# Altium PCB IS12.01.01.PcbDoc (continued)
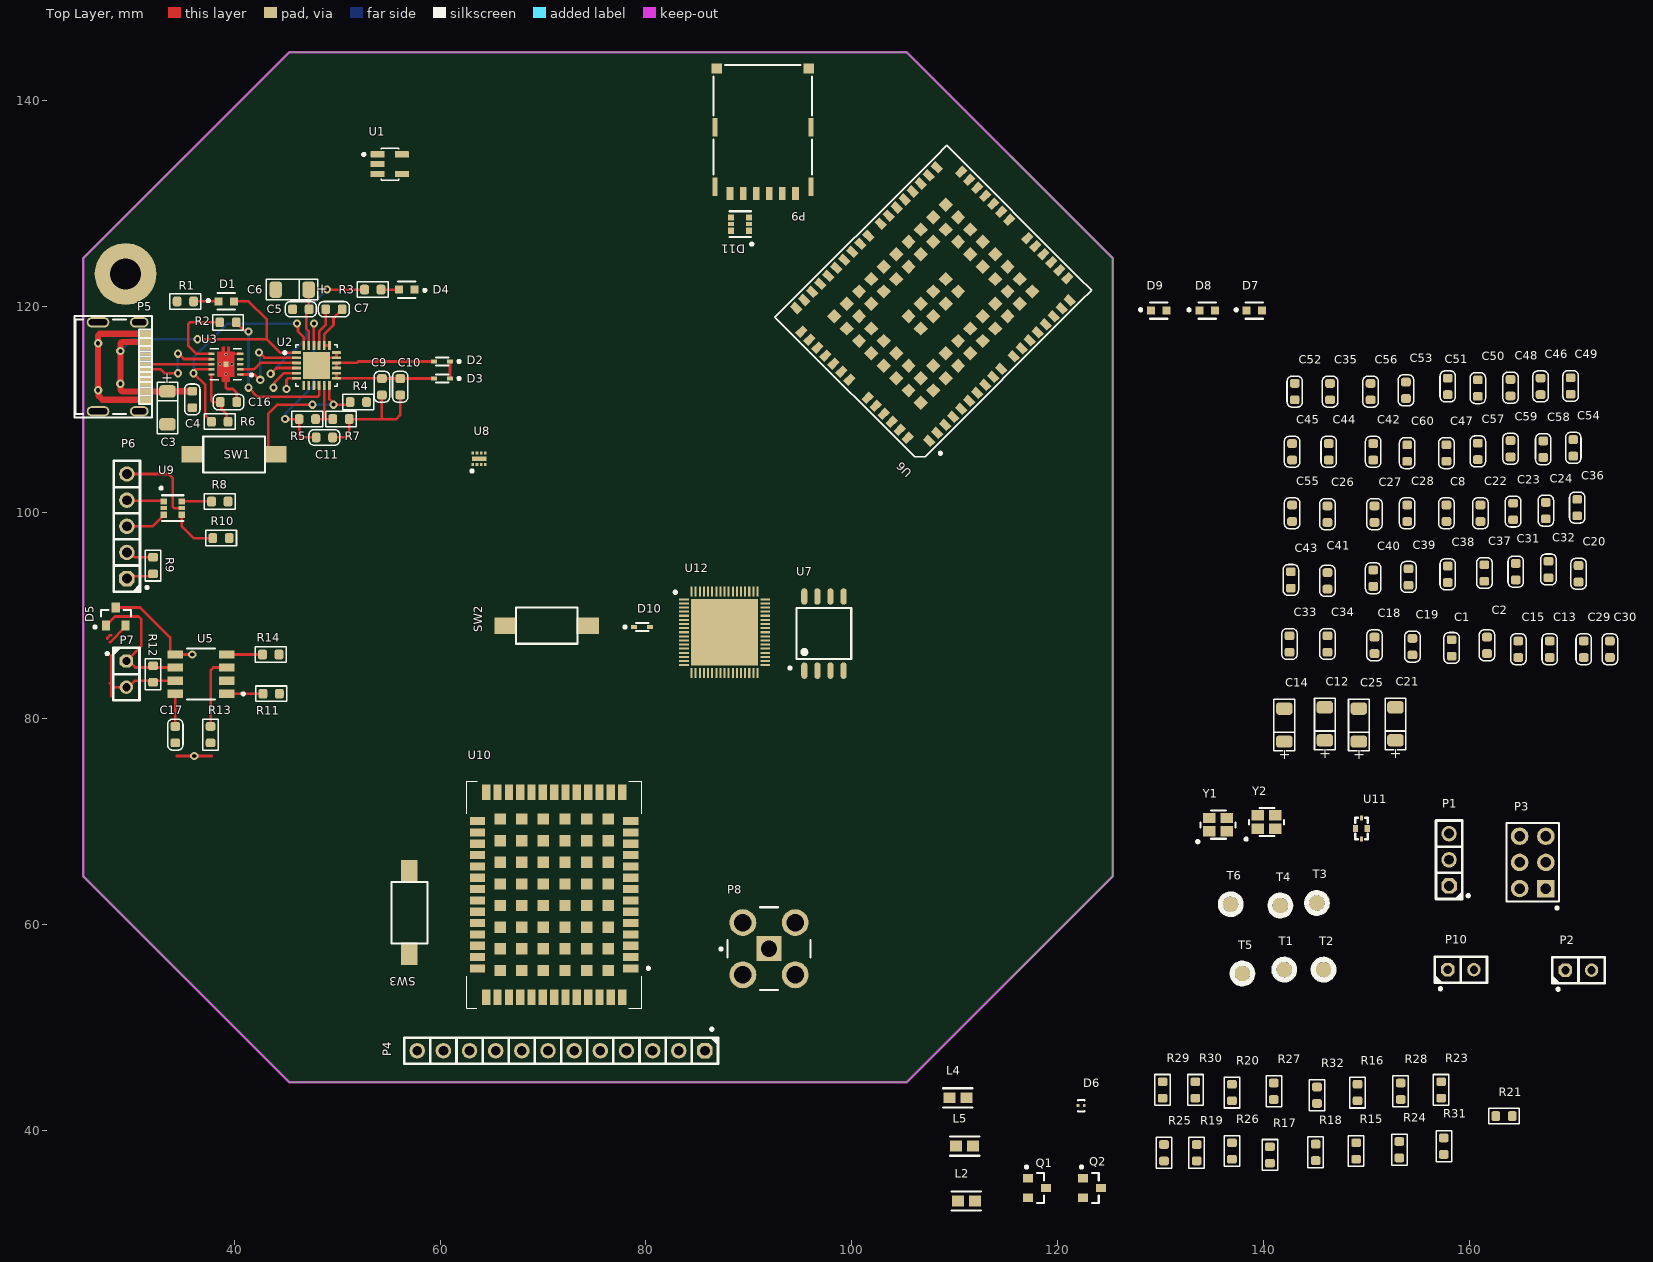
[diagram p0: Top Layer view]
## Footprints (in the part's own frame and the unit in brackets; to place one, negate y for a bottom-side part, rotate by r counter-clockwise, add the part's x,y. Pads: shape width x height; smd on the part's side, far side on the other; paste and mask are expansions set on the pad) (continued)
  silkscreen extent -11,-9.27 11,8.5, body extent -11,-8.5 11,8.5, height 2.2

## Part data
C1 C4 C5 C8 C13 C15 C16 C17 C18 C19 C20 C22 C23 C24 C30 C36 C37 C40 C41 C42 C44 C45 C47 C48 C49 C50 C52 C56 C58 C59 C60: library part C0603, "CAP CER DNP 16V X8R 0603", Supplier Part Number 1=1276-2368-1-ND, Supplier 1=Digi-Key
C2 C7 C9 C10 C11 C35 C43 C46: library part CL10A475KO8NNNC, "CAP CER 4.7UF 16V X5R 0603", Supplier Part Number 1=1276-2368-1-ND, Supplier 1=Digi-Key
C3 C6 C12 C14 C21 C25: library part TAJD107M010RNJ, "CAP TANT 100UF 20% 10V 2917", Supplier Part Number 1=399-18160-1-ND, Supplier 1=Digi-Key
C26 C27 C28 C29: library part CL10B103KB8NNNC_1, "CAP CER 10000PF 50V X7R 0603", Supplier Part Number 1=1276-2368-1-ND, Supplier 1=Digi-Key
C31 C32 C33 C34 C38 C39 C51 C53 C54 C55 C57: library part C0603C220J5GAC7867, "CAP CER 22PF 50V C0G/NP0 0603", Supplier Part Number 1=1276-2368-1-ND, Supplier 1=Digi-Key
D1 D4 D7 D8 D9: library part LTST-C190GKT, "LED GREEN CLEAR CHIP SMD", Case Code (Imperial)=0603, Case Code (Metric)=1608, Color=Blue, Forward Current=20mA, Forward Voltage=3.8V, Lens Color=Colorless, Manufacturer="Vishay Lite-On", Manufacturer Part Number=LTST-C191TBKT, Max Operating Temperature=80°C, Max Power Dissipation=75mW, Min Operating Temperature=-20°C, Package Quantity=1, Power Dissipation=76mW, Reverse Voltage=5V, Case/Package=0603, Depth=1.6mm, Dominant Wavelength=475nm, Height=0.55mm, Illumination Color=Blue, Lead Free="Lead Free", Length=0.8mm, Lens Style=Diffused, Lens Transparency=Clear, Luminous Intensity=180mcd, Mount="Surface Mount", Number of Elements=1, Number of LEDs=1, Number of Pins=2, Packaging="Tape and Reel", Radiation Hardening=No, Test Current=20mA, Viewing Angle=130°, Wavelength=468nm, Width=0.8mm
D2 D3 D10: "DIODE SCHOTTKY 40V 300MA SOD523", Capacitance=7pF, Forward Current=300mA, Manufacturer=STMicroelectronics, Max Junction Temp=+150°C, Max Repetitive Reverse Voltage=40V, Max Surge Forward Current=1.25A, Package=SOD-523, Peak Reverse Current=1uA, Temperature="-40°C to +150°C", Temperature Range Low=-40°C, Automotive=No, Category=Diode, ComponentLink2Description=Datasheet, ComponentLink2URL=https://www.st.com/content/ccc/resource/technical/document/datasheet/07/50/54/f2/0d/ba/4a/79/CD00001322.pdf/files/CD00001322.pdf/jcr:content/translations/en.CD00001322.pdf, Device Class L1="Discrete Semiconductors", Device Class L2=Diodes, Device Class L3="Schottky Diodes", Digikey Description="DIODE SCHOTTKY 40V 300MA SOD523", Height=0.7mm, Lead Free=Yes, Manufacturer Part Number=BAT54KFILM, Mouser Description="Schottky Diodes & Rectifiers schottky diode", Octopart=https://octopart.com/bat54kfilm-stmicroelectronics-39618022, RoHS=TRUE, Temperature Range High=+150°C
D5: "TVS DIODE 24VWM 44VC SOT23-3", Breakdown Voltage=26.2V, Capacitance=30pF, Clamping Voltage=44V, Manufacturer="ON Semiconductor", Max Junction Temp=+150°C, Package=318-08, Peak Pulse Current=8A, Peak Pulse Power=350W, Reverse Standoff Voltage=24V, Temperature="-55°C to +150°C", Temperature Range Low=-55°C, Automotive=Yes, Automotive Grade="Grade 0", Category=Diode, ComponentLink2Description=Datasheet, ComponentLink2URL=https://www.onsemi.com/pub/Collateral/NUP2105L-D.PDF, Device Class L1="Circuit Protection", Device Class L2="TVS Diodes", Device Class L3=unset, Digikey Description="TVS DIODE 24V 44V SOT23-3", Direction=Bidirectional, Footprint Url=https://www.onsemi.com/pub/Collateral/318-08.PDF, Height=1.11mm, Lead Free=Yes, Manufacturer Part Number=SZNUP2105LT1G, Number Of Channels=2, Octopart=https://octopart.com/sznup2105lt1g-on+semiconductor-22134626, RoHS=TRUE, Standoff Height=0.01mm, Temperature Range High=+150°C
D6: "ESD SUPPRESSOR 0201", Case Code (Imperial)=0201, Case Code (Metric)=0603, Manufacturer=Panasonic, Varistor Voltage=30V, Case/Package=0201, Manufacturer Part Number=EZA-EG1N50AC, Mount="Surface Mount", Number of Circuits=1, Packaging="Cut Tape", Series=-
D11: "TVS DIODE 3.3VWM 12VC 6TSSOP", Package="SOT-23-6 STMicroelectronics", Availability="In Stock", Check_prices=https://www.snapeda.com/parts/ESDA6V1BC6/STMicroelectronics/view-part/?ref=eda, MF=STMicroelectronics, MP=ESDA6V1BC6, Price=None, Purchase-URL=https://pricing.snapeda.com/search/part/ESDA6V1BC6/?ref=eda, SnapEDA_Link=https://www.snapeda.com/parts/ESDA6V1BC6/STMicroelectronics/view-part/?ref=snap
L2 L4 L5: library part MLZ1608M100WT000, "FIXED IND 10UH 250MA 1.05OHM SMD", Case Code (Imperial)=0603, Case Code (Metric)=1608, Current Rating=80mA, DC Resistance (DCR)=360mR, Inductance=10uH, Manufacturer="Taiyo Yuden", Manufacturer Part Number=LBMF1608T100M, Max Operating Temperature=105°C, Min Operating Temperature=-40°C, Resistor Type=Wirewound, Self Resonant Frequency=32MHz, Test Frequency=2.52MHz, Tolerance=20%, Case/Package=0603, Core Material=Ferrite, DC Current=80mA, Depth=0.9mm, Halogen Free="Halogen Free", Height=0.35mm, Height - Seated (Max)=0.039inch, Lead Free="Lead Free", Lead Pitch=0.7mm, Length=0.063inch, Max DC Current=80mA, Military Standard=Not, Mount="Surface Mount", Packaging="Tape and Reel", Radiation Hardening=No, RoHS Compliant=Yes, Series=LB, Shielding=Unshielded, Termination=SMD/SMT, Weight=7.1E-05oz, Width=0.031inch
P1: library part PLS-3, "PLS-3, вилка штыревая 2.54мм"
P2 P7: library part PLS-2, "PLS-2, вилка штыревая 2.54мм"
P3: library part TSW-103-08-L-D, "CONN HEADER VERT 6POS 2.54MM", Manufacturer=Samtec, Max Operating Temperature="125 degC", Min Operating Temperature="-55 degC", ComponentLink1Description="Manufacturer URL", ComponentLink1URL=http://www.samtec.com/, ComponentLink2Description=Datasheet, ComponentLink2URL=https://datasheet.ciiva.com/25618/0900766b81154476-25618436.pdf, ComponentLink3Description="Package Specification", ComponentLink3URL=http://suddendocs.samtec.com/prints/tsw-xxx-xx-x-x-xx-xxx-footprint.pdf, DatasheetVersion=04/2012, Lead Pitch="2.54 mm", Manufacturer Part Number=TSW-103-08-L-D, Mount="Through Hole", Mounting Technology="Through Hole", PackageDescription="Male Header, Pitch 2.54 mm, 2 x 3 Position, Height 8.38 mm, Tail Length 5.08 mm", PackageReference=TSW-103-08-L-D, RoHSCompliant=true
P4: library part PLS-12, "PLS-12, вилка штыревая 2.54мм"
P5: library part USB4105-GF-A, "CONN RCP USB2.0 TYP C 24P SMD RA", Manufacturer=Molex, Manufacturer Part Number=217179-0001
P6: library part PLS-5, "PLS-5, вилка штыревая 2.54мм"
P8: library part 142-0701-201, "CONN SMA JACK STR 50 OHM PCB", Frequency Max=3GHz, Manufacturer="TE Connectivity", Manufacturer Part Number=5-1814832-1, Package Description="SMA Connector, Pitch 5.08 mm, 1 Position, Height 9.5 mm, Tail Length 4 mm", Coaxial Cable Types=-, Coaxial Termination=Solder, Connector Body Style=StraightJack, Connector Mounting=PCBMount, Connector Type=SMACoaxial, Contact Material=BerylliumCopper, Contact Plating=GoldPlatedContacts, Datasheet URL=http://www.onlinecomponents.com/productFiles/mf-AMP/eng_cd_1814832_a.pdf, Datasheet Version="Rev. B1, 03/2011", Impedance=50ohm, Manufacturer URL=http://www.te.com/, Package Reference=5-1814832-1, Product Range=ZDCSeries, SVHC=NoSVHC(15-Jun-2015)
P9: library part 693043020611, "CONN SMART CARD PUSH-PULL", Manufacturer="Wurth Electronics", Operating Temperature=-25to85degC, Rated Current=1A, Withstanding Voltage=500VAC, Working Voltage=15VAC, Datasheet URL=https://katalog.we-online.de/em/datasheet/693043020611.pdf, Manufacturer Part Number=693043020611, Manufacturer URL=http://www.we-online.de, Mounting Technology=SMT, Package Reference=693043020611, Packaging=TapeandReel, Part Number=693043020611, Publisher=WurthElektronik
P10: library part PLS-2_1, "PLS-2, вилка штыревая 2.54мм"
Q1 Q2: "MOSFET SOT23 N 60V 5OHM 150C", Case/Package=SOT-23, Continuous Drain Current (ID)=1.2A, Drain to Source Breakdown Voltage=20V, Drain to Source Resistance=350mR, Gate to Source Voltage (Vgs)=12V, Input Capacitance=110pF, Manufacturer=Infineon, Manufacturer Part Number=IRLML2402TRPBF, Max Operating Temperature=150°C, Max Power Dissipation=540mW, Min Operating Temperature=-55°C, Power Dissipation=540W, Threshold Voltage=700mV, Contact Plating=Tin, Drain to Source Voltage (Vdss)=20V, Element Configuration=Single, Halogen Free="Halogen Free", Height=0.04inch, Lead Free="Lead Free", Length=0.119inch, Max Dual Supply Voltage=20V, Mount="Surface Mount", Number of Pins=3, Packaging="Tape and Reel", Rds On Max=250mR, REACH SVHC="No SVHC", Rise Time=9.5ns, Turn-Off Delay Time=9.7ns, Turn-On Delay Time=2.5ns, Width=0.055inch
R1 R13 R15 R16: library part RMCF0603FT1K00, "RES 1K OHM 1% 1/10W 0603", Supplier Part Number 1=541-4.7KSACT-ND, Supplier 1=Digi-Key
R2: library part RMCF0603FT261R, "RES 261 OHM 1% 1/10W 0603", Supplier Part Number 1=541-4.7KSACT-ND, Supplier 1=Digi-Key
R3 R6 R19 R21 R28 R29 R30 R32: library part RMCF0603FT10K0, "RES 10K OHM 1% 1/10W 0603", Supplier Part Number 1=541-4.7KSACT-ND, Supplier 1=Digi-Key
R4 R8 R10 R11 R12 R14 R31: library part RMCF0603FT100R, "RES 100 OHM 1% 1/10W 0603", Supplier Part Number 1=541-4.7KSACT-ND, Supplier 1=Digi-Key
R5: library part RMCF0603FT5K23, "RES 5.23K OHM 1% 1/10W 0603", Supplier Part Number 1=541-4.7KSACT-ND, Supplier 1=Digi-Key
R7: library part RMCF0603FG30K1, "RES 30.1K OHM 1% 1/10W 0603", Supplier Part Number 1=541-4.7KSACT-ND, Supplier 1=Digi-Key
R9 R23 R26: library part RMCF0603FT100K, "RES 100K OHM 1% 1/10W 0603", Supplier Part Number 1=541-4.7KSACT-ND, Supplier 1=Digi-Key
R17 R18: library part RMCF0603FT47K0, "RES 47K OHM 1% 1/10W 0603", Supplier Part Number 1=541-4.7KSACT-ND, Supplier 1=Digi-Key
R20 R25 R27: library part RMCF0603FT300R, "RES 300 OHM 1% 1/10W 0603", Supplier Part Number 1=541-4.7KSACT-ND, Supplier 1=Digi-Key
R24: library part RMCF0603FT4K70, "RES 4.7K OHM 1% 1/10W 0603", Supplier Part Number 1=541-4.7KSACT-ND, Supplier 1=Digi-Key
SW1 SW2 SW3: library part FSMSM, "SWITCH TACTILE SPST-NO 0.05A 24V", Case\/Package=SMD/SMT, Contact Current Rating=50mA, Contact Resistance=100mOhm, Manufacturer="TE Connectivity", Manufacturer Part Number=FSMSMTR, Max Operating Temperature=85degC, Max Voltage Rating (DC)=12V, Min Operating Temperature=-35degC, Operating Force=180gf, Package Description="2-Pin Surface Mount Device, Body 6 x 3.5 mm, Pitch 9.19 mm", Package Quantity=1800, Voltage Rating (DC)=24V, Actuator Length=1.07mm, Actuator Material=Polyamide, Contact Material=Brass, Contact Plating=Silver, Current Rating=50mA, Datasheet URL=http://www.te.com/commerce/DocumentDelivery/DDEController?Action=showdoc&DocId=Customer+Drawing%7F1437566-3%7FC2%7Fpdf%7FEnglish%7FENG_CD_1437566-3_C2_1437566_3_1_c.dwg.pdf%7F1437566-4, Datasheet Version="Rev. C2, 08/2014", Electrical Life=20000Cycles, ELV=Compliant, Illumination Type=Illuminated, Lead Free=LeadFree, Manufacturer URL=http://www.te.com/, Mechanical Life=20000Cycles, Mount=SurfaceMount, Mounting Technology=SurfaceMount, Orientation=Straight, Package Reference=FSMSMTR, Packaging=TapeandReel, REACH SVHC=Unknown, RoHSCompliant=true, Switch Travel=0.25mm, Termination=GullWing, Throw Configuration=SPST
T1 T2 T3 T4 T5 T6: "Test point (DNP)"
U1: "IC REG LINEAR 3.3V 600MA SOT25", Case/Package=SOT-23-5, Dropout Voltage=250mV, Manufacturer=Diodes, Max Input Voltage=6V, Max Operating Temperature=85°C, Max Output Current=600mA, Min Input Voltage=2.5V, Min Operating Temperature=-40°C, Output Voltage=3.3V, Package Quantity=1, Quiescent Current=55uA, Accuracy=1.5%, Height=1.3mm, Lead Free="Lead Free", Length=3.1mm, Manufacturer Part Number=AP2112K-3.3TRG1, Mount="Surface Mount", Number of Outputs=1, Number of Pins=5, Number of Regulators=1, Output Current=600mA, Output Type=Fixed, Packaging="Tape and Reel", Polarity=Positive, Width=1.7mm
U2: "IC BATT CHG LI-ION 1CELL 24WQFN", Manufacturer="Texas Instruments", Max Charge Current=5A, Max Operating Temperature=85°C, Max Supply Voltage=14V, Min Operating Temperature=-40°C, Output Voltage=5.5V, Contact Plating=Gold, Fault Protection="Over Temperature", Interface=I2C, Lead Free="Lead Free", Manufacturer Part Number=BQ25895MRTWR, Mount="Surface Mount", Number of Cells=1, Number of Pins=24, Output Current=5A, Packaging="Cut Tape", RoHS Compliant=Yes
U3: "IC USB SWITCH DUAL 1X2 10SON", Manufacturer="Texas Instruments", Architecture="\"1\",\"2 mux/demux\"", Bandwidth(MHz)=1200, Charge Injection(Max)(pC)=N/A, ComponentLink1Description=Datasheet, ComponentLink1URL=http://www.ti.com/general/docs/lit/getliterature.tsp?genericPartNumber=TS3USB221&fileType=pdf, ComponentLink2Description="Package Specification", ComponentLink2URL=http://www.ti.com/litv/pdf/mpds117k, DatasheetVersion=SCDS220G, Eco-Plan="Green (RoHS & no Sb/Br)", ESD HBM(kV)=+/-2, ICC(uA)=30, IL OFF(Max)(nA)=2, Manufacturer Part Number=TS3USB221DRCR, Mounting Technology="Surface Mount", Number Of Channels=2, OFF Time(Max)(ns)=12, ON Time(Max)(ns)=30, PackageDescription="10-Pin Plastic Small Outline No-Lead, 3 x 3 x 1 mm Body, 0.5 mm Pitch, Exposed Pad", PackageReference=DRC0010J, PackageVersion="revL, Sep-2011", Partnumber=TS3USB221DRCR, RON Flatness(Max)(Ohms)=1, RON Mis-match(Max)(Ohms)=0.2, ron(max)(ohms)=6, SubFamily="USB Switch", tpd max(ns)=0.25, Vcc range(V)="2.3 to 3.6"
U5: "IC TRANSCEIVER HALF 1/1 8SOIC", Ambient Temperature Range High=+105°C, Ambient Temperature Range Low=-40°C, Manufacturer="Texas Instruments", Max Junction Temp=+130°C, Max Supply Voltage=5.5V, Min Supply Voltage=4.5V, Nominal Supply Current=300-425uA, Package=D0008A, Temperature="-40°C to +85°C", Temperature Range High=+85°C, Automotive=No, Category=IC, ComponentLink2Description=Datasheet, ComponentLink2URL=http://www.ti.com/lit/ds/symlink/sn65hvd3082e.pdf, Data Rate=0.2Mbits/s, Device Class L1="Integrated Circuits (ICs)", Device Class L2="Interface ICs", Device Class L3="RS-232 / RS-422 / RS-485 Interface ICs", Digikey Description="IC TRANSCEIVER HALF 1/1 8SOIC", Height=1.75mm, Interface=RS-485,RS-422, Ipc Land Pattern Name=SOIC127P600X175-8, Lead Free=Yes, Manufacturer Part Number=SN65HVD3082EDR, Mouser Description="RS-485 Interface IC Low-Power RS-485 Transceiver", Number Of Receivers=1, Number Of Transmitters=1, Octopart=https://octopart.com/sn65hvd3082edr-texas+instruments-712058, RoHS=TRUE, Simplex Duplex="Half Duplex", Standoff Height=0.11mm, Temperature Range Low=-40°C
U6: "Linear IC", Package="NON-STANDARD-126 Quectel", Availability="In Stock", Check_prices=https://www.snapeda.com/parts/EG915NEUAC-N06-SNNSA/Quectel/view-part/?ref=eda, MF=Quectel, MP=EG915NEUAC-N06-SNNSA, Price=None, SnapEDA_Link=https://www.snapeda.com/parts/EG915NEUAC-N06-SNNSA/Quectel/view-part/?ref=snap
U7: "IC FLASH 32MBIT SPI/QUAD 8SOIC", Package="SOIC-8 Winbond", Availability=Unavailable, MF="Winbond Electronics", MP=W25Q32BVSSIG, Price=None, SnapEDA_Link=https://www.snapeda.com/parts/W25Q32BVSSIG/Winbond%20Electronics/view-part/552390/?ref=snap
U8: "IC REG LINEAR 3.3V 1A 8DFN", Manufacturer_Name=STMicroelectronics, Mouser Part Number=511-LD56100DPU33R, Datasheet Link=https://componentsearchengine.com/Datasheets/1/LD56100DPU33R.pdf, Geometry.Height=1mm, Manufacturer_Part_Number=LD56100DPU33R, Mouser Price/Stock=https://www.mouser.co.uk/ProductDetail/STMicroelectronics/LD56100DPU33R?qs=lYGu3FyN48ervycZizbDLw%3D%3D
U9: "TVS DIODE 5.25VWM 17VC SOT23-6", Package="SOT-23-6 STMicroelectronics", Availability="In Stock", Check_prices=https://www.snapeda.com/parts/USBLC6-2SC6/STMicroelectronics/view-part/?ref=eda, MF=STMicroelectronics, MP=USBLC6-2SC6, Price=None, Purchase-URL=https://pricing.snapeda.com/search/part/USBLC6-2SC6/?ref=eda, SnapEDA_Link=https://www.snapeda.com/parts/USBLC6-2SC6/STMicroelectronics/view-part/?ref=snap
U10: "MOD RF RECEIVER GNSS 54LGA", Manufacturer_Name=U-Blox, Mouser Part Number=377-ZED-F9P-02B, Datasheet Link=https://www.u-blox.com/sites/default/files/ZED-F9P_DataSheet_%28UBX-17051259%29.pdf, Geometry.Height=2.6mm, Manufacturer_Part_Number=ZED-F9P-02B, Mouser Price/Stock=https://www.mouser.co.uk/ProductDetail/u-blox/ZED-F9P-02B?qs=DPoM0jnrROVJit2O2Grdqw%3D%3D
U11: "RF FILTER BAND PASS 2.45GHZ 0603", Package=None, Availability=Unavailable, MP=DEA162450BT-1288B1, Price=None
U12: "ULTRA-LOW-POWER DUAL CORE ARM CO", Manufacturer_Name=STMicroelectronics, Mouser Part Number=511-STM32WB55RCV6, Arrow Part Number=STM32WB55RCV6, Arrow Price/Stock=https://www.arrow.com/en/products/stm32wb55rcv6/stmicroelectronics?region=nac, Datasheet Link=https://www.mouser.com/datasheet/2/389/stm32wb55rc-1588898.pdf, Geometry.Height=1mm, Manufacturer_Part_Number=STM32WB55RCV6, Mouser Price/Stock=https://www.mouser.co.uk/ProductDetail/STMicroelectronics/STM32WB55RCV6?qs=vLWxofP3U2y%2F21YKkPUpfQ%3D%3D
Y1 Y2: library part ECS-120-8-36-CKM-TR3, "CRYSTAL 12.0000MHZ 8PF SMD", Supplier Part Number 1=535-9116-1-ND, Supplier 1=Digi-Key

## Free pads (board coordinates)
  round 6 hole 3: 17(29.464,123.19)

## Via types
v1: diameter 0.8, hole 0.4, Top Layer to Bottom Layer, tented both sides, 23 vias

## Nets (pads, with @x,y where several pads share a name; then routed paths per layer and width w, separated by ;. In a path a pad name is that pad's centre, name@x,y a point inside that pad or via, vN(x,y) a via of type N, cw(c..) or ccw(c..) an arc to the next point about the centre after c; other vN are vias at no path point)
"3V3 (STM)": C12.1 C13.1 C16.2 C30.2 C43.2 C46.2 C48.2 C50.2 C60.1 L5.1 P3.2 R6.2 R28.1 R29.1 T3.1 U3.10 U7.8 U8.1 U8.2 U8.4 U12.41 U12.44 U12.45 | length 5.7
  Top Layer w0.254: U3.10 37.8,110.893 37.949,110.744 C16.2 38.783,110.62 38.783,110.061 39.303,109.541 39.303,108.944 R6.2
"3V3 (ZED)": C1.2 C2.2 C42.1 C44.1 C45.1 C47.1 R31.1 T2.1 U1.5 U10.33 U10.34 U10.36 U10.38
+5V: C5.2 C6.1 U2.23 | length 5.7
  Top Layer w0.254: C6.1 47.25,121.66 C5.2@47.25,119.761 ; U2.23 47.256,117.612 46.99,117.878 46.99,119.373 47.282,119.665 C5.2
ANT_MAIN: U6.60
BQ25895_CE: U2.9
BQ25895_INT: U2.7
BQ25895_OTG_EN: U2.8
CC1: P5.A5
CC2: P5.B5
D+: P5.A6 U3.8 | length 6.4
  Top Layer w0.254: P5.A6 U3.8
D-: P5.A7 U3.7 | length 8.7
  Top Layer w0.254: P5.A7 32.889,113.923 33.274,113.538 v1(34.544,113.538) ; v1(34.544,115.443) 34.608,115.443 35.128,114.923 U3.7
  Bottom Layer w0.254: v1(34.544,113.538) v1(34.544,115.443)
DSEL: R6.1 U2.24 U3.9 | length 22.8
  Top Layer w0.254: U3.9 36.217,113.923 36.068,113.774 v1(36.068,113.538) 37.211,112.395 37.211,109.436 37.46,109.187 37.464,109.187 37.808,108.843 R6.1 ; v1(46.101,118.364) 46.205,118.26 46.205,117.597 46.756,117.046 U2.24
  Bottom Layer w0.254: v1(36.068,113.538) 36.068,115.062 39.37,118.364 v1(46.101,118.364)
GEOFENCE_STAT: R25.2 U10.19
GND: C1.1 C2.1 C3.2 C4.1 C5.1 C6.2 C8.2 C9.1 C10.1 C11.1 C12.2 C13.2 C14.2 C15.2 C16.1 C17.1 C18.1 C19.1 C20.1 C21.2 C22.2 C23.2 C24.2 C25.2 C26.1 C27.1 C28.1 C30.1 C31.2 C32.2 C33.2 C34.2 C35.2 C36.2 C37.1 C38.1 C39.1 C40.2 C41.2 C42.2 C43.1 C44.2 C45.2 C46.1 C47.2 C48.1 C49.2 C50.1 C51.2 C52.2 C53.2 C54.1 C55.1 C56.2 C57.1 C58.2 C60.2 D5.3 D6.1 D7.1 D8.1 D9.1 D11.2 D11.5 P1.1 P3.4 P5.A1-B12 P5.B1-A12 P6.1 P8.2 P8.3 P8.4 P8.5 P9.C5 P9.Shield P10.1 Q1.2 Q2.2 R1.1 R7.1 R9.2 R13.1 R17.1 R18.1 R30.1 SW1.2 SW2.2 SW3.1 U1.2 U2.17 U2.18 U2.25 U3.5 U3.11 U5.5 U6.3 U6.31 U6.47 U6.48 U6.50 U6.54 U6.55 U6.58 U6.59 U6.61 U6.62 U6.67 U6.68 U6.69 U6.70 U6.71 U6.72 U6.73 U6.74 U6.79 U6.80 U6.81 U6.82 U6.89 U6.90 U6.91 U6.100 U6.101 U6.102 U7.4 U8.5 U8.9 U9.2 U10.1 U10.3 U10.12 U10.14 U10.32 U10.37 U10.41 U10.48 U10.55 U10.56 U10.57 U10.58 U10.59 U10.60 U10.61 U10.62 U10.63 U10.64 U10.65 U10.66 U10.67 U10.68 U10.69 U10.70 U10.71 U10.72 U10.73 U10.74 U10.75 U10.76 U10.77 U10.78 U10.79 U10.80 U10.81 U10.82 U10.83 U10.84 U10.85 U10.86 U10.87 U10.88 U10.89 U10.90 U10.91 U10.92 U10.93 U10.94 U10.95 U10.96 U10.97 U10.98 U10.99 U10.100 U10.101 U10.102 U11.2 U12.32 U12.42 U12.69 Y2.3 | length 52.8
  Top Layer w0.254: D5.3 30.869,90.797 33.782,87.884 33.782,86.507 34.056,86.233 v1(35.941,86.233) ; P6.1 29.826,93.834 31.896,93.834 R9.2 ; 34.417,76.378 37.846,76.378 ; U3.11@39.116,113.473 39.116,114.339 U3.11@39.2,114.423 ; U3.11@39.2,113.473 39.2,112.163 39.349,112.014 39.878,112.014 40.259,111.633 C16.1 ; U3.11@39.2,115.373 39.212,115.373 39.262,115.423 U3.5 ; U2.25 48.756,115.05 U2.17 U2.18 ; C11.1 51.032,107.315 51.181,107.464 R7.1 54.356,109.093 ; C9.1 54.356,109.093 ; C10.1 56.134,109.474 55.753,109.093 54.356,109.093
  Top Layer w0.6: P5.B1-A12 27.224,110.973 26.835,111.362 26.835,111.849 v1(26.797,111.887) v1(26.797,116.459) 26.797,117.224 26.946,117.373 P5.A1-B12
  other v1: 36.131,76.378
GNSS_CLK: P4.1
GNSS_CS_N: P4.4
GNSS_EXT_INT: U10.51
GNSS_MISO: P4.10
GNSS_MOSI: P4.7
GNSS_RTK_STAT: R27.2 U10.20
GNSS_RXD: P4.9
GNSS_SAFE_BOOT: U10.50
GNSS_SCL: P4.3
GNSS_SDA: P4.6
GNSS_TX_READY: U10.46
GNSS_TXD: P4.12
GNSS_UART2_RX: U10.26
GNSS_UART2_TX: U10.27
GSM_OFF: C26.2 Q1.1 R17.2
GSM_PWR: C28.2 Q2.1 R18.2
Li_Ion: C9.2 C10.2 D3.2 U2.13 U2.14 | length 9.7
  Top Layer w0.254: U2.14 U2.13 49.949,113.042 54.09,113.042 C9.2@54.102,113.03 ; C9.2 C10.2 D3.2
MAIN_CTS: U6.36
MAIN_RTS: U6.37
MAIN_RXD: U6.35
MAIN_TXD: U6.34
MAIN_USB_D1_N: U2.2 U3.1 | length 8.7
  Top Layer w0.254: U3.1 41.961,113.423 42.48,112.903 v1(42.545,112.903) ; v1(42.418,115.57) 42.938,115.05 U2.2
  Bottom Layer w0.254: v1(42.418,115.57) 42.522,115.466 42.522,115.171 42.545,115.148 v1(42.545,112.903)
MAIN_USB_D1_P: U2.3 U3.2 | length 5.7
  Top Layer w0.254: U3.2 41.914,113.923 42.541,114.55 U2.3
MAIN_USB_D2_N: U3.4
MAIN_USB_D2_P: U3.3
NetC7_1: C7.1 U2.19 U2.20 | length 4.7
  Top Layer w0.254: U2.19 U2.20 48.756,117.336 49.657,118.237 49.657,118.923 C7.1
NetC7_2: C7.2 U2.21 | length 3.8
  Top Layer w0.254: U2.21 48.256,117.598 48.895,118.237 C7.2
NetC11_2: C11.2 R5.1 U2.22 | length 17.4
  Top Layer w0.254: v1(44.958,109.093) 46.242,109.093 46.317,109.168 46.317,107.464 46.466,107.315 C11.2 ; v1(47.752,118.364) 47.754,118.362 47.754,116.237 U2.22
  Bottom Layer w0.254: v1(44.958,109.093) 45.002,109.137 45.002,109.645 47.752,112.395 v1(47.752,118.364)
NetC27_2: C27.2 Q1.3 R15.1 U6.15
NetC29_1: C29.1 U11.3
NetC29_2: C29.2 C32.1 L2.2
NetC31_1: C31.1 L2.1 T5.1
NetC33_1: C33.1 U11.1
NetC34_1: C34.1 U12.31
NetC35_1: C35.1 L4.2
NetC36_1: C36.1 U12.30
NetC37_2: C37.2 U12.33
NetC38_2: C38.2 U12.34 Y2.2
NetC39_2: C39.2 U12.35 Y2.1
NetC40_1: C40.1 U12.14
NetC41_1: C41.1 U12.13
NetC49_1: C49.1 D10.2 U12.8
NetC51_1: C51.1 U12.4
NetC53_1: C53.1 U12.3
NetC56_1: C56.1 U12.1
NetC58_1: C58.1 U12.68
NetD1_1: D1.1 R1.2 | length 2.4
  Top Layer w0.254: R1.2 D1.1
NetD4_2: D4.2 R3.1 | length 1.8
  Top Layer w0.254: R3.1 D4.2
NetD6_2: D6.2 R24.1 U6.75
NetD7_2: D7.2 R20.1
NetD8_2: D8.2 R25.1
NetD9_2: D9.2 R27.1
NetD10_1: D10.1 SW2.1
NetL4_1: L4.1 P8.1 U10.2
NetL5_2: L5.2 U12.43
NetP1_2: P1.2 R24.2
NetP2_1: P2.1 U6.22
NetP2_2: P2.2 U6.23
NetP6_2: P6.2 R9.1 | length 2.7
  Top Layer w0.254: P6.2 29.928,96.139 30.398,95.669 R9.1
NetP6_3: P6.3 U9.3 | length 4
  Top Layer w0.254: P6.3 32.054,98.679 U9.3
NetP6_4: P6.4 U9.1 | length 3.6
  Top Layer w0.254: P6.4 29.652,101.158 33.11,101.158 U9.1
NetP10_2: P10.2 U10.47
NetQ2_3: Q2.3 R16.1 U6.17
NetR2_1: R2.1 U3.6 | length 7.8
  Top Layer w0.254: U3.6 36.342,115.423 35.56,116.205 35.56,118.342 35.709,118.491 R2.1
NetR2_2: R2.2 U2.10 | length 15.3
  Top Layer w0.254: R2.2 40.208,118.441 40.943,117.706 41.298,117.706 v1(41.402,117.602) ; v1(41.402,112.141) 42.291,111.252 48.107,111.252 48.256,111.401 U2.10
  Bottom Layer w0.254: v1(41.402,112.141) v1(41.402,117.602)
NetR3_2: R3.2 U2.4 | length 16.8
  Top Layer w0.254: v1(43.549,113.497) 44.103,114.05 U2.4 ; v1(49.022,121.666) R3.2
  Bottom Layer w0.254: v1(43.549,113.497) 46.99,116.937 46.99,119.634 v1(49.022,121.666)
NetR4_1: R4.1 SW1.1 U2.12 | length 14.7
  Top Layer w0.254: SW1.1 43.98,105.664 43.307,106.337 43.307,109.601 44.196,110.49 v1(47.625,110.49) ; U2.12 49.256,111.039 49.657,110.638 v1(49.657,110.49) 49.661,110.494 51.02,110.494 R4.1
  Bottom Layer w0.254: v1(47.625,110.49) v1(49.657,110.49)
NetR5_2: R5.2 R7.2 U2.11 | length 4.9
  Top Layer w0.254: R5.2 48.749,109.093 ; U2.11 48.756,109.1 48.749,109.093 ; R7.2 48.749,109.093
NetR8_1: R8.1 U9.6 | length 2.9
  Top Layer w0.254: U9.6 34.927,101.094 37.806,101.094 R8.1
NetR10_1: R10.1 U9.4 | length 4.6
  Top Layer w0.254: U9.4 34.925,98.679 36.068,97.536 R10.1
NetR11_2: R11.2 U5.1 | length 3.5
  Top Layer w0.254: U5.1 R11.2
NetR13_2: R13.2 U5.3 | length 7.1
  Top Layer w0.254: R13.2 37.719,84.687 37.995,84.963 U5.3
NetR14_2: R14.2 U5.4 | length 3.5
  Top Layer w0.254: U5.4 R14.2
NetR19_1: R19.1 R21.1
NetR21_2: R21.2 U7.3 U7.7
NetR22_2: U10.7
NetR23_2: R23.2 U6.28
NetR26_1: R26.1 U6.30
NetR30_2: R30.2 U12.5
NetR31_2: R31.2 SW3.2 U10.49
NRST: P3.6
RES_POW: R4.2
RS485_A: D5.2 P7.2 R12.1 U5.7 | length 13
  Top Layer w0.254: 27.94,83.439 28.321,83.058 29.728,83.058 30.363,83.693 U5.7 ; 27.94,87.418 29.464,88.942 D5.2 ; 28.067,82.169 28.067,86.148
RS485_B: D5.1 P7.1 R12.2 U5.6 | length 13.6
  Top Layer w0.254: 27.691,87.757 27.691,87.842 27.965,88.116 28.05,88.116 ; D5.1@27.923,89.386 28.453,89.916 30.712,89.916 30.988,89.64 30.988,87.046 P7.1 29.784,85.598 30.419,84.963 U5.6
RS485_EN: U5.2
RXD/MOSI: P4.8 U10.43
SCL3: R29.2 U2.6 U12.9 | length 1.9
  Top Layer w0.254: v1(45.085,112.014) 45.085,112.901 45.234,113.05 U2.6
SCL/CLK: P4.2 U10.45
SDA3: R28.2 U2.5 U12.10 | length 3.1
  Top Layer w0.254: v1(43.815,112.141) 43.919,112.245 43.919,112.626 44.843,113.55 U2.5
SDA/CS_N: P4.5 U10.44
SPI_CLK: U6.26 U7.6
SPI_CS: R19.2 U6.25 U7.1
SPI_DI: U6.88 U7.5
SPI_DO: U6.64 U7.2
STM_RX: U12.51
STM_TX: U12.24
SWCLK: P3.1
SWDIO: P3.3
SYS_POWER: C8.1 C14.1 C15.1 C17.2 C18.2 C19.2 C20.2 C21.1 C22.1 C23.1 C24.1 C25.1 D2.1 D3.1 P6.5 R15.2 T1.1 T4.1 U1.1 U1.3 U5.8 U6.32 U6.33 U6.52 U6.53 U8.3 U8.6 U8.7 U8.8 U9.5 | length 13.1
  Top Layer w0.254: P6.5 33.633,103.759 34.036,103.356 34.036,100.595 34.185,100.447 U9.5 ; C17.2 U5.8 ; D3.1 D2.1
TIME_PULSE: R20.2 U10.53
TXD/MISO: P4.11 U10.42
UART1_RX: R11.1
UART1_TX: R14.1
USB_DM: U6.10
USB_DP: U6.9
USB_V: U6.8
USB_VCC: C3.1 C4.2 D1.2 P5.A4-B9 P5.B4-A9 U2.1 | length 38
  Top Layer w0.254: P5.A4-B9@31.352,116.586 P5.A4-B9 ; v1(36.449,116.84) 43.18,116.84 ; D1.2 41.402,120.523 43.18,118.745 43.18,116.84 ; U2.1 44.47,115.55 43.18,116.84
  Top Layer w0.6: P5.A4-B9@31.352,116.586 29.105,116.586 28.956,116.437 v1(28.956,115.697) v1(28.956,112.522) 28.956,111.922 29.105,111.773 P5.B4-A9 C3.1@33.516,111.773 ; C3.1 33.534,111.791 35.934,111.791 C4.2
  Bottom Layer w0.254: v1(28.956,115.697) 30.099,116.84 v1(36.449,116.84)
USIM1_VDD: C52.1 D11.4 P9.C1 R32.1 T6.1 U6.43
USIM_CLC: C55.2 D11.1 P9.C3 U6.46
USIM_DATA: C57.2 D11.6 P9.C7 R32.2 U6.45
USIM_RST: C54.2 D11.3 P9.C2 U6.44
V_SYS: D2.2 D4.1 U2.15 U2.16 | length 10
  Top Layer w0.254: U2.15 U2.16 51.939,114.55 52.07,114.681 D2.2
VDD_EXT: P1.3 R16.2 R23.1 R26.2 U6.29
ZED-F9P_USB_D+: U10.40
ZED-F9P_USB_D-: U10.39
ZED-F9P_USB_D_N: R8.2
ZED-F9P_USB_D_P: R10.2
pads on no net: C59.1 C59.2 P3.5 P5.1 P5.2 P5.3 P5.4 P5.A8 P5.B6 P5.B7 P5.B8 P9.C6 U1.4 U6.1 U6.2 U6.4 U6.5 U6.6 U6.7 U6.11 U6.12 U6.13 U6.14 U6.16 U6.18 U6.19 U6.20 U6.21 U6.24 U6.27 U6.38 U6.39 U6.40 U6.41 U6.42 U6.49 U6.51 U6.56 U6.57 U6.63 U6.65 U6.66 U6.76 U6.77 U6.78 U6.83 U6.84 U6.85 U6.86 U6.87 U6.92 U6.93 U6.94 U6.95 U6.96 U6.97 U6.98 U6.99 U6.103 U6.104 U6.105 U6.106 U6.107 U6.108 U6.109 U6.110 U6.111 U6.112 U6.113 U6.114 U6.115 U6.116 U6.117 U6.118 U6.119 U6.120 U6.121 U6.122 U6.123 U6.124 U6.125 U6.126 U10.4 U10.5 U10.6 U10.8 U10.9 U10.10 U10.11 U10.13 U10.15 U10.16 U10.17 U10.18 U10.21 U10.22 U10.23 U10.24 U10.25 U10.28 U10.29 U10.30 U10.31 U10.35 U10.52 U10.54 U12.2 U12.6 U12.7 U12.11 U12.12 U12.15 U12.16 U12.17 U12.18 U12.19 U12.20 U12.21 U12.22 U12.23 U12.25 U12.26 U12.27 U12.28 U12.29 U12.36 U12.37 U12.38 U12.39 U12.40 U12.46 U12.47 U12.48 U12.49 U12.50 U12.52 U12.53 U12.54 U12.55 U12.56 U12.57 U12.58 U12.59 U12.60 U12.61 U12.62 U12.63 U12.64 U12.65 U12.66 U12.67 Y1.1 Y1.2 Y1.3

## Keep-outs
Keep-Out Layer:
  lines w0.254: 25.339,124.704 25.339,64.704 45.339,44.704 105.339,44.704 125.339,64.704 125.339,124.704 105.339,144.704 45.339,144.704 25.339,124.704 ; 25.339,124.704 25.339,124.704

## Text inside footprints (layer, text, board x,y; h text height)
C3: Top Overlay "+" at 33.053,113.664 h1 r270; Top Assembly "+" at 33.053,113.664 h1 r270
C6: Top Overlay "+" at 49.123,122.141 h1 r180; Top Assembly "+" at 49.123,122.141 h1 r180
C12: Top Overlay "+" at 146.398,76.023 h1 r90; Top Assembly "+" at 146.398,76.023 h1 r90
C14: Top Overlay "+" at 142.461,75.896 h1 r90; Top Assembly "+" at 142.461,75.896 h1 r90
C21: Top Overlay "+" at 153.256,76.023 h1 r90; Top Assembly "+" at 153.256,76.023 h1 r90
C25: Top Overlay "+" at 149.7,75.896 h1 r90; Top Assembly "+" at 149.7,75.896 h1 r90